# Altium PCB ЕРКФ.758725.093Д11_и1_МВВ.PcbDoc (part 1 of 3)
Units mm, origin at the board's own origin, x right, y up, seen from the top; angles counter-clockwise.
Board outline 118.8 x 103.1 mm, 2 copper layers (Top Layer, Bottom Layer), stack 1.571 mm thick; 306 components, 215 nets, 983 pads, 379 vias.
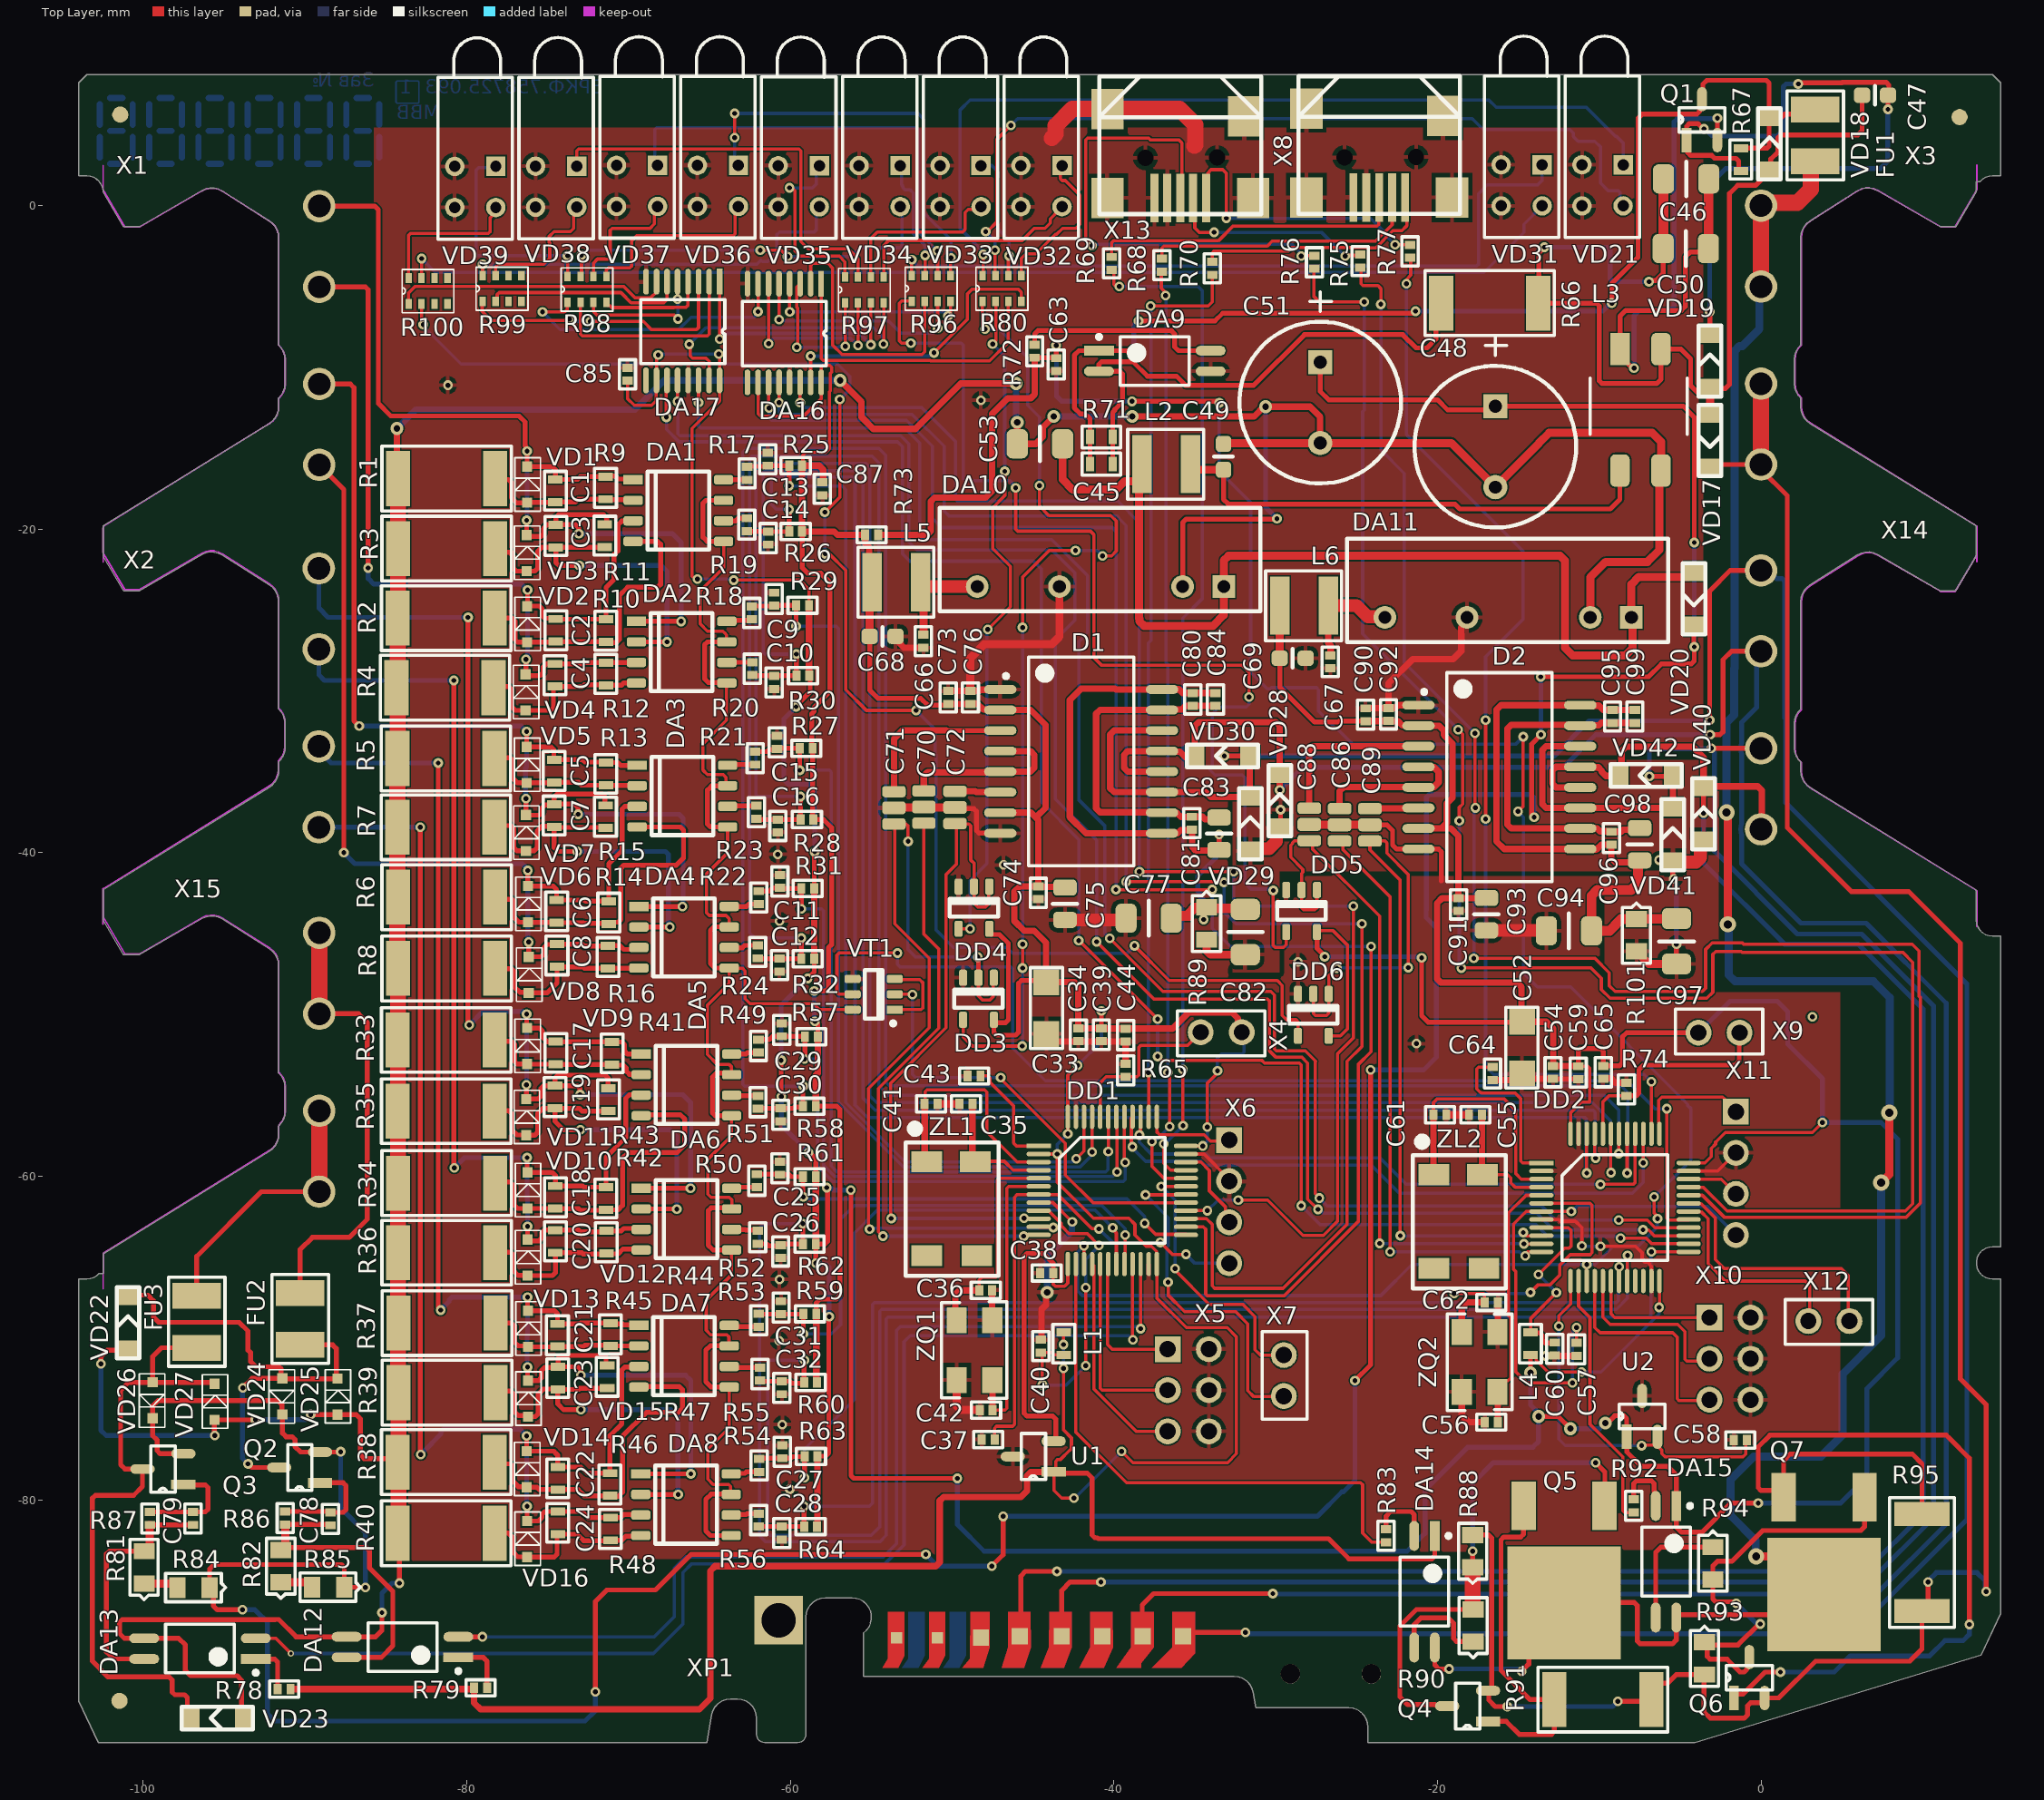
[diagram p0: Top Layer view]
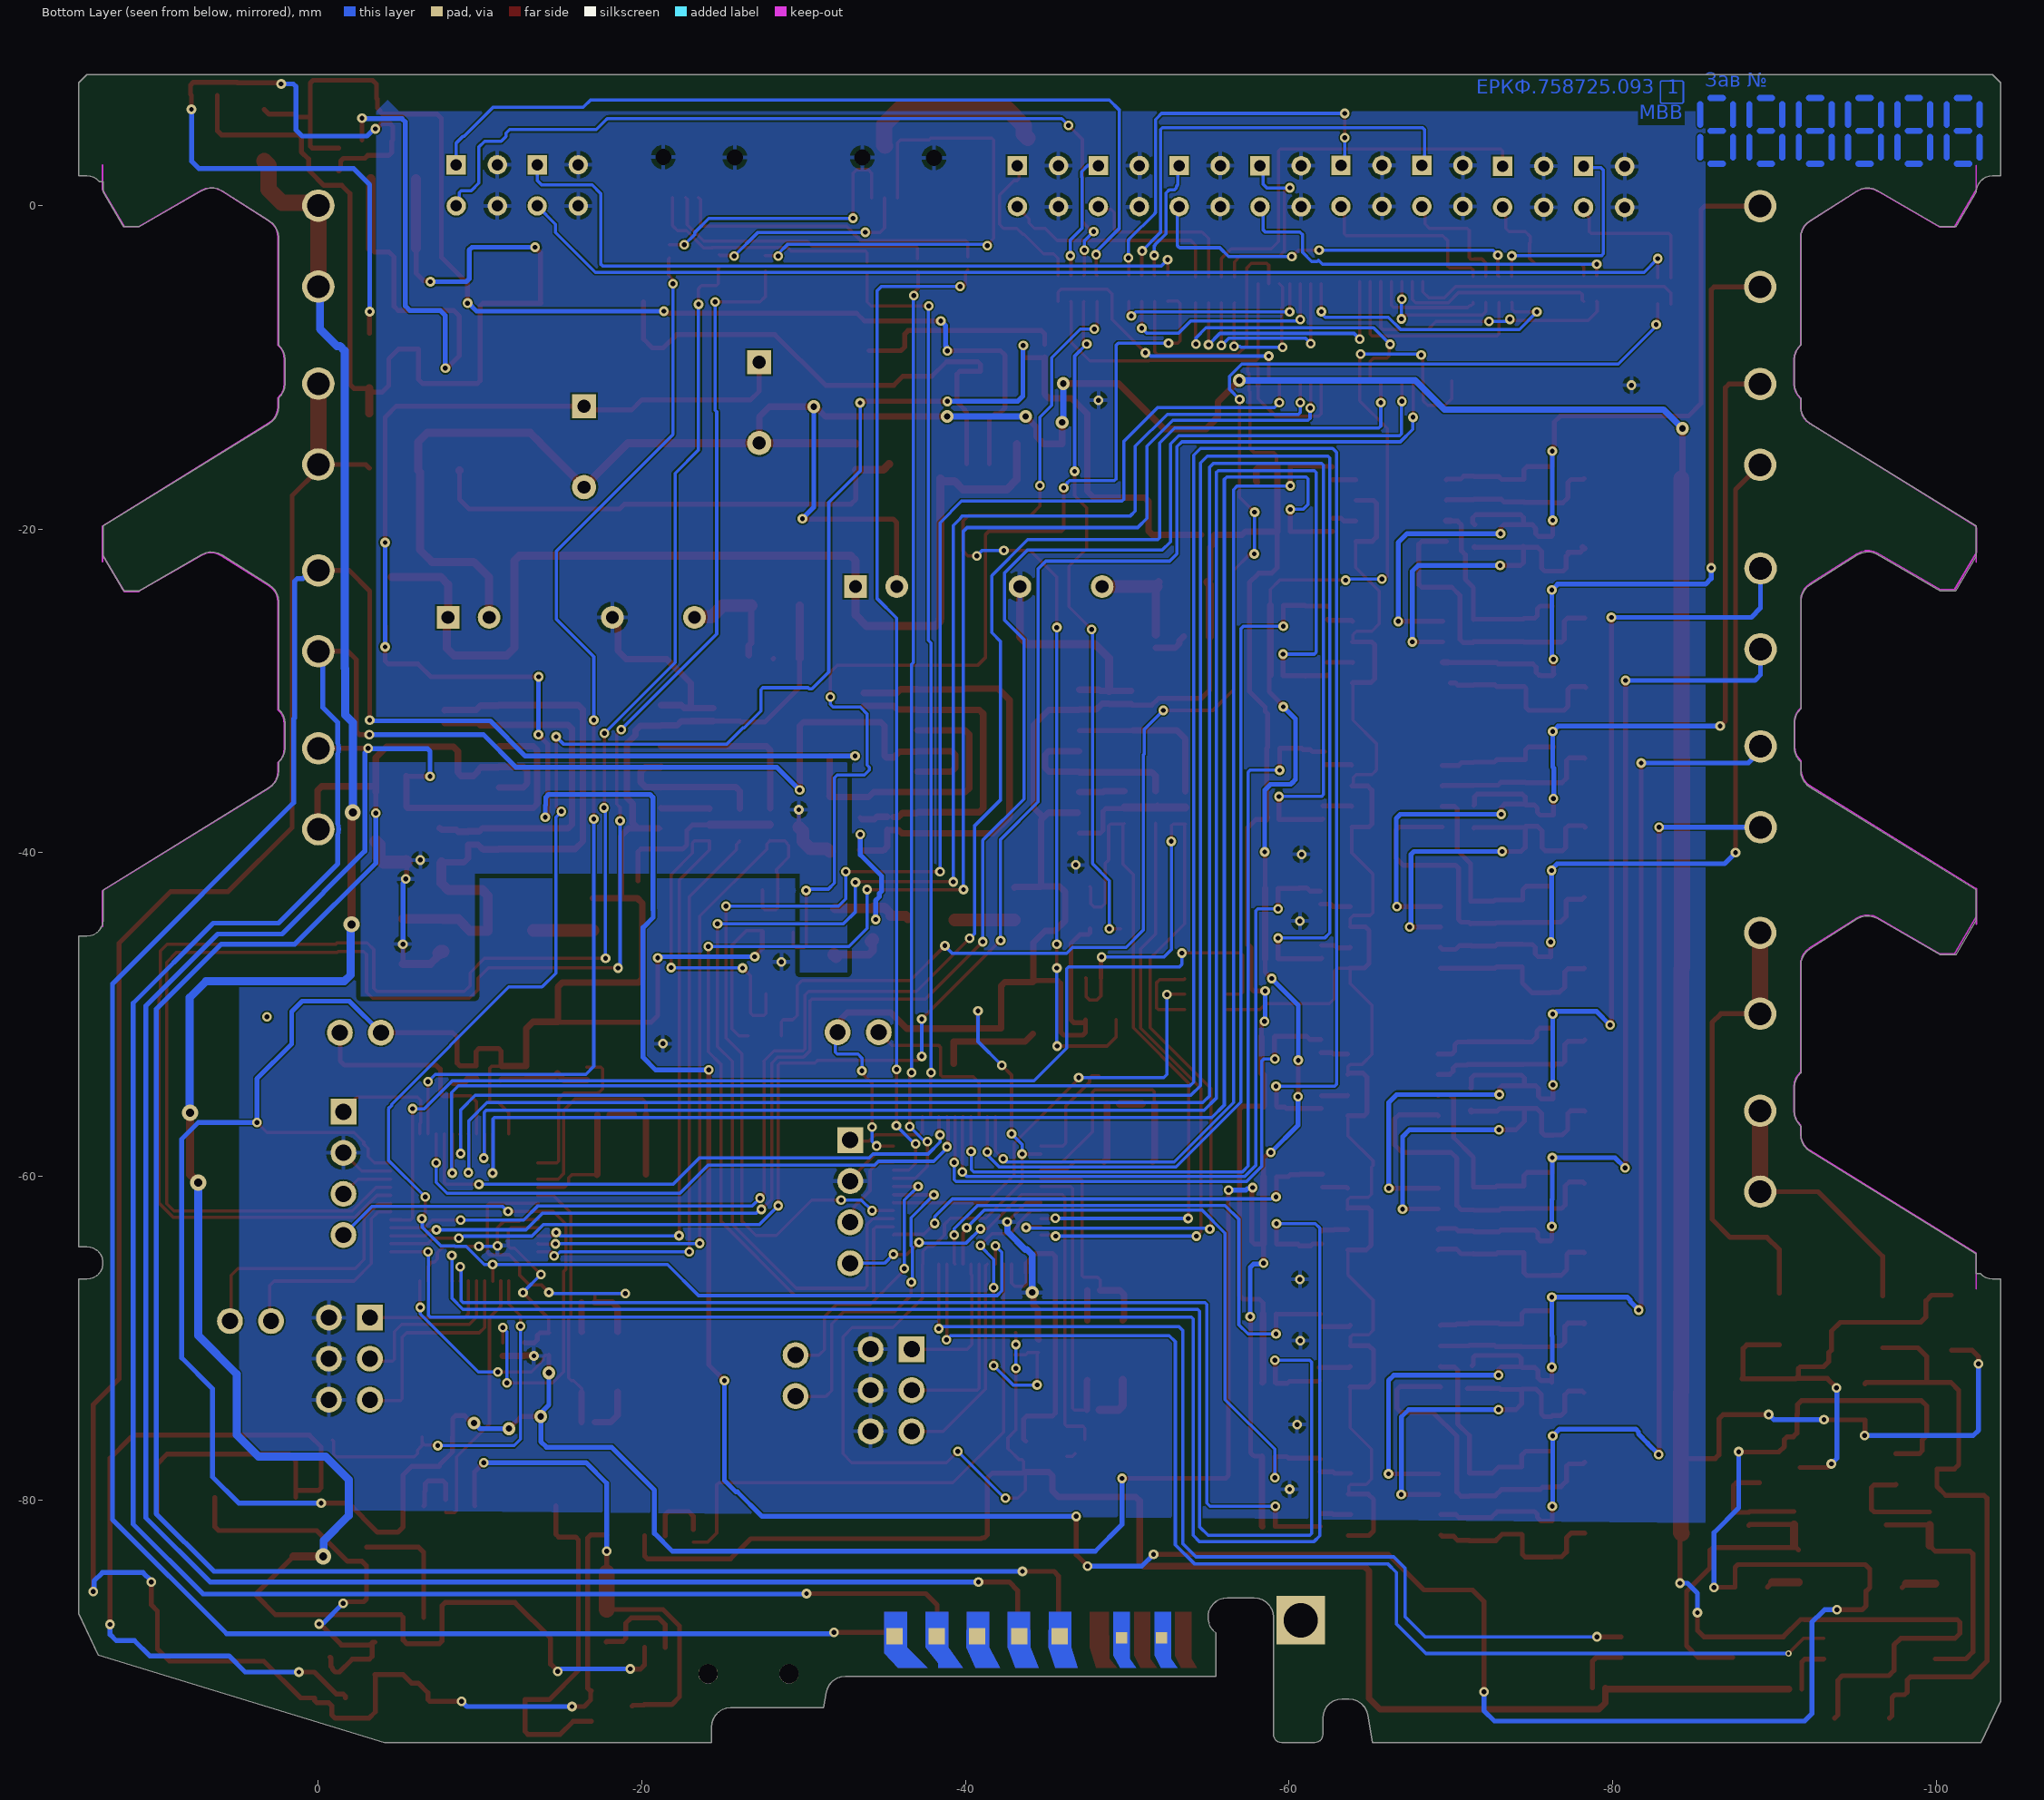
[diagram p1: Bottom Layer view, seen from below]
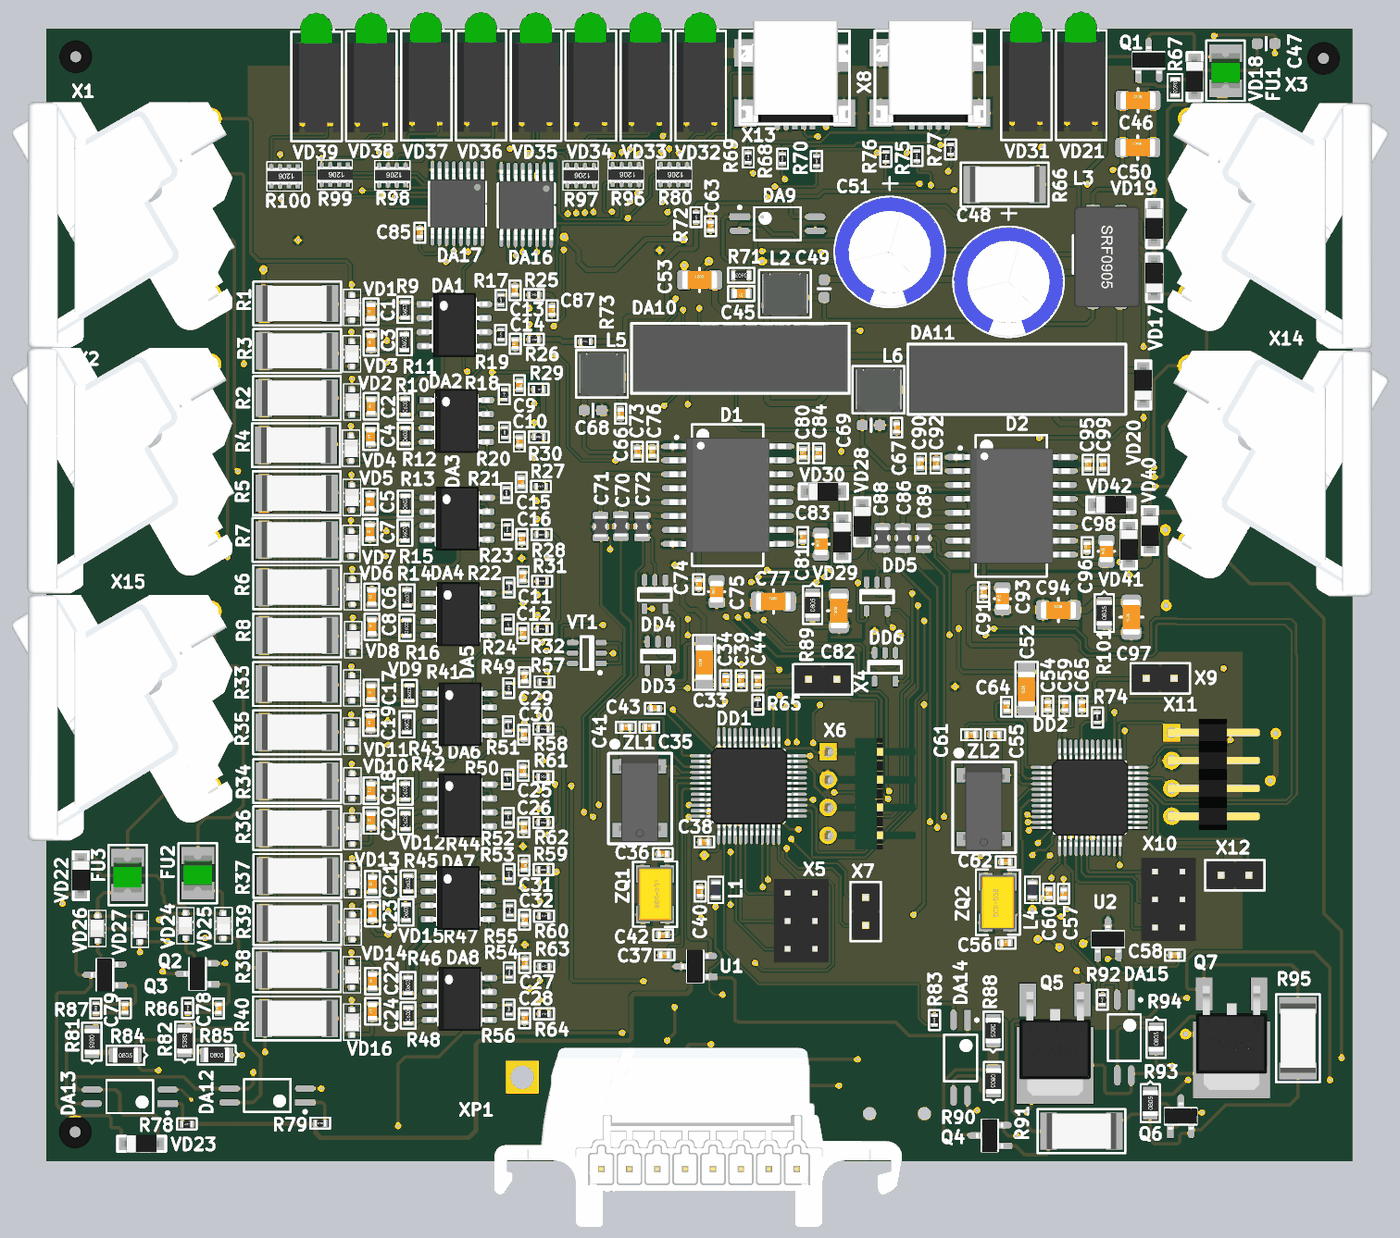
[diagram p4: 3D render of the assembled board from above, using the file's embedded part models]

## Layer stack, top to bottom
Top Solder: solder mask 0.0102, Solder Resist, Dk 3.5
Top Layer: signal copper 0.0356
Dielectric 1: dielectric 1.5, FR-4, Dk 4.8
Bottom Layer: signal copper 0.0356
Bottom Solder: solder mask 0.0102, Solder Resist, Dk 3.5

## Board outline
-55.489,-90.906 -32.581,-90.906 -32.304,-90.938 -32.042,-91.034 -31.809,-91.187 -31.618,-91.389 -31.479,-91.631 -31.399,-91.898 -31.23,-92.856 -25.489,-92.856 -25.222,-92.886 -24.968,-92.975 -24.741,-93.118 -24.551,-93.308 -24.408,-93.535 -24.319,-93.789 -24.289,-94.056 -24.289,-95.006 -4.089,-95.006 13.611,-89.595 14.811,-87.021 14.811,-66.356 14.311,-66.356 14.103,-66.334 13.904,-66.27 13.723,-66.165 13.568,-66.025 13.445,-65.856 13.36,-65.665 13.316,-65.461 13.316,-65.251 13.36,-65.047 13.445,-64.856 13.568,-64.687 13.723,-64.547 13.904,-64.442 14.103,-64.378 14.311,-64.356 14.811,-64.356 14.811,-45.156 14.311,-45.156 14.088,-45.131 13.877,-45.057 13.688,-44.938 13.529,-44.779 13.41,-44.59 13.336,-44.379 13.311,-44.156 13.311,-42.306 3.031,-35.958 2.837,-35.809 2.678,-35.625 2.559,-35.412 2.486,-35.179 2.461,-34.937 2.461,-34.4 2.292,-34.214 2.166,-33.996 2.087,-33.756 2.061,-33.506 2.061,-32.006 2.087,-31.756 2.166,-31.516 2.292,-31.298 2.461,-31.112 2.461,-24.466 2.485,-24.226 2.557,-23.996 2.673,-23.785 2.829,-23.601 3.018,-23.453 5.947,-21.595 6.181,-21.48 6.435,-21.419 6.696,-21.413 6.952,-21.464 7.19,-21.57 11.061,-23.806 12.049,-23.806 13.311,-21.656 13.311,-19.806 3.031,-13.458 2.837,-13.309 2.678,-13.125 2.559,-12.912 2.486,-12.679 2.461,-12.437 2.461,-11.9 2.292,-11.714 2.166,-11.496 2.087,-11.256 2.061,-11.006 2.061,-9.506 2.087,-9.256 2.166,-9.016 2.292,-8.798 2.461,-8.612 2.461,-1.966 2.485,-1.726 2.557,-1.496 2.673,-1.285 2.829,-1.101 3.018,-0.953 5.947,0.905 6.181,1.02 6.435,1.081 6.696,1.087 6.952,1.036 7.19,0.93 11.061,-1.306 12.049,-1.306 13.311,0.844 13.311,1.494 13.551,1.494 13.708,1.642 13.893,1.752 14.097,1.821 14.311,1.844 14.811,1.844 14.811,7.594 14.311,8.094 -103.489,8.094 -103.989,7.594 -103.989,1.844 -103.489,1.844 -103.279,1.822 -103.079,1.756 -102.897,1.65 -102.741,1.508 -102.619,1.337 -102.535,1.144 -102.493,0.937 -102.493,0.844 -101.231,-1.306 -100.243,-1.306 -96.373,0.93 -96.134,1.036 -95.878,1.087 -95.617,1.081 -95.364,1.02 -95.13,0.905 -92.201,-0.953 -92.011,-1.101 -91.855,-1.285 -91.739,-1.496 -91.668,-1.726 -91.643,-1.966 -91.643,-8.612 -91.474,-8.798 -91.348,-9.016 -91.27,-9.256 -91.243,-9.506 -91.243,-11.006 -91.27,-11.256 -91.348,-11.496 -91.474,-11.714 -91.643,-11.9 -91.643,-12.437 -91.668,-12.679 -91.741,-12.912 -91.86,-13.125 -92.02,-13.309 -92.213,-13.458 -102.493,-19.806 -102.493,-21.656 -101.231,-23.806 -100.243,-23.806 -96.373,-21.57 -96.134,-21.464 -95.878,-21.413 -95.617,-21.419 -95.364,-21.48 -95.13,-21.595 -92.201,-23.453 -92.011,-23.601 -91.855,-23.785 -91.739,-23.996 -91.668,-24.226 -91.643,-24.466 -91.643,-31.112 -91.474,-31.298 -91.348,-31.516 -91.27,-31.756 -91.243,-32.006 -91.243,-33.506 -91.27,-33.756 -91.348,-33.996 -91.474,-34.214 -91.643,-34.4 -91.643,-34.937 -91.668,-35.179 -91.741,-35.412 -91.86,-35.625 -92.019,-35.809 -92.213,-35.958 -102.493,-42.306 -102.493,-44.156 -101.231,-46.306 -100.243,-46.306 -96.373,-44.07 -96.134,-43.964 -95.878,-43.913 -95.617,-43.919 -95.364,-43.98 -95.13,-44.095 -92.201,-45.953 -92.011,-46.101 -91.855,-46.285 -91.739,-46.496 -91.668,-46.726 -91.643,-46.966 -91.643,-53.612 -91.474,-53.798 -91.348,-54.016 -91.27,-54.256 -91.243,-54.506 -91.243,-56.006 -91.27,-56.256 -91.348,-56.496 -91.474,-56.714 -91.643,-56.9 -91.643,-57.437 -91.668,-57.679 -91.741,-57.912 -91.86,-58.125 -92.019,-58.309 -92.213,-58.458 -102.493,-64.806 -102.493,-66.006 -102.729,-66.006 -102.886,-66.154 -103.071,-66.264 -103.275,-66.333 -103.489,-66.356 -103.989,-66.356 -103.989,-92.433 -102.789,-95.006 -65.169,-95.006 -64.867,-93.298 -64.788,-93.031 -64.648,-92.789 -64.457,-92.587 -64.224,-92.434 -63.962,-92.338 -63.686,-92.306 -63.289,-92.306 -63.022,-92.336 -62.768,-92.425 -62.541,-92.568 -62.351,-92.758 -62.208,-92.985 -62.119,-93.239 -62.089,-93.506 -62.089,-94.506 -62.076,-94.617 -62.039,-94.723 -61.98,-94.818 -61.901,-94.897 -61.806,-94.956 -61.7,-94.993 -61.589,-95.006 -59.539,-95.006 -59.428,-94.993 -59.322,-94.956 -59.227,-94.897 -59.148,-94.818 -59.089,-94.723 -59.052,-94.617 -59.039,-94.506 -59.039,-87.256 -59.009,-86.989 -58.92,-86.735 -58.777,-86.508 -58.587,-86.318 -58.36,-86.175 -58.106,-86.086 -57.839,-86.056 -56.189,-86.056 -55.939,-86.082 -55.7,-86.16 -55.482,-86.286 -55.296,-86.455 -55.148,-86.658 -55.047,-86.888 -54.995,-87.134 -54.996,-87.386 -55.049,-87.632 -55.153,-87.861 -55.301,-88.063 -55.489,-88.231

## Design rules (kind name [scope] priority, off if disabled: settings)
Clearance [All] p1: gap=0.1 ignorepadtopadclearanceinfootprint=FALSE except(0: Arc-Hole Track-Hole SMDPad-Hole THPad-Hole Via-Hole Fill-Hole Poly-Hole Region-Hole Text-Hole; 0.3: Fill-Fill Fill-Poly Fill-Region Poly-Poly Poly-Region Region-Region)
ComponentClearance [All] p1: gap=0 collisioncheckmode=3 verticalgap=0 showdistances=FALSE
PolygonConnect [All] p1: connectstyle=Relief reliefconductorwidth=0.254 reliefentries=4 polygonreliefangle="90 Angle" airgapwidth=0.254
RoutingVias [All] p1: holewidth=0.711 width=1.27 viastyle="Through Hole" minholewidth=0.711 minwidth=1.27 maxholewidth=0.711 maxwidth=1.27
SolderMaskExpansion [All] p1: expansion=0.05 istentingtop=FALSE
Width [All] p1: maxlimit=1 minlimit=0.1 preferedwidth=0.4
29 further rules are at their usual default settings.

## Classes and differential pairs
net class 2in[1..8]: 2in1 2in2 2in3 2in4 2in5 2in6 2in7 2in8
net class 1in[1..8]: 1in1 1in2 1in3 1in4 1in5 1in6 1in7 1in8
component class Sheet3: C70 C71 C72 C73 C74 C75 C76 C77 C78 C79 C80 C81 C82 C83 C84 C85 C86 C87 C88 C89 C90 C91 C92 C93 C94 C95 C96 C97 C98 C99 D1 D2 DA12 DA13 DA14 DA15 DA16 DA17 DD3 DD4 DD5 DD6 FU2 FU3 Q2 Q3 Q4 Q5 Q6 Q7 R78 R79 R80 R81 R82 R83 R84 R85 R86 R87 R88 R89 R90 R91 R92 R93 R94 R95 R96 R97 R98 R99 R100 R101 VD21 VD22 VD23 VD24 VD25 VD26 VD27 VD28 VD29 VD30 VD31 VD33 VD34 VD35 VD36 VD38 VD39 VD40 VD41 VD42 X14 X15 XP1
component class Sheet2: C33 C34 C35 C36 C37 C38 C39 C40 C41 C42 C43 C44 C45 C46 C47 C48 C49 C50 C51 C52 C53 C54 C55 C56 C57 C58 C59 C60 C61 C62 C63 C64 C65 C66 C67 C68 C69 DA9 DA10 DA11 DD1 DD2 FU1 L1 L2 L3 L4 L5 L6 Q1 R65 R66 R67 R68 R69 R70 R71 R72 R73 R74 R75 R76 R77 U1 U2 VD17 VD18 VD19 VD20 X3 X4 X5 X6 X7 X8 X9 X10 X11 X12 X13 ZL1 ZL2 ZQ1 ZQ2
component class Sheet1: C1 C2 C3 C4 C5 C6 C7 C8 C9 C10 C11 C12 C13 C14 C15 C16 C17 C18 C19 C20 C21 C22 C23 C24 C25 C26 C27 C28 C29 C30 C31 C32 DA1 DA2 DA3 DA4 DA5 DA6 DA7 DA8 R1 R2 R3 R4 R5 R6 R7 R8 R9 R10 R11 R12 R13 R14 R15 R16 R17 R18 R19 R20 R21 R22 R23 R24 R25 R26 R27 R28 R29 R30 R31 R32 R33 R34 R35 R36 R37 R38 R39 R40 R41 R42 R43 R44 R45 R46 R47 R48 R49 R50 R51 R52 R53 R54 R55 R56 R57 R58 R59 R60 R61 R62 R63 R64 VD1 VD2 VD3 VD4 VD5 VD6 VD7 VD8 VD9 VD10 VD11 VD12 VD13 VD14 VD15 VD16 VT1 X1 X2

## Components (designator, comment, footprint, x,y, rotation, side; value= is the part's Value field where it differs from the comment)
C1 "0.01u" 0603_cap -74.525,-17.625 r90 top
C2 "0.01u" 0603_cap -74.5,-26.25 r90 top
C3 "0.01u" 0603_cap -74.5,-20.425 r90 top
C4 "0.01u" 0603_cap -74.55,-29.025 r90 top
C5 "0.01u" 0603_cap -74.6,-34.95 r90 top
C6 "0.01u" 0603_cap -74.45,-43.625 r90 top
C7 "0.01u" 0603_cap -74.6,-37.7 r90 top
C8 "0.01u" 0603_cap -74.425,-46.35 r90 top
C9 "220p" cap_0402 -61,-24.325 r270 top
C10 "220p" cap_0402 -61,-29.475 r90 top
C11 "220p" cap_0402 -60.65,-41.775 r270 top
C12 "220p" cap_0402 -60.675,-46.95 r90 top
C13 "220p" cap_0402 -61.4,-15.675 r270 top
C14 "220p" cap_0402 -61.375,-20.55 r90 top
C15 "220p" cap_0402 -60.825,-33.175 r270 top
C16 "220p" cap_0402 -60.775,-38.35 r90 top
C17 "0.01u" 0603_cap -74.5,-52.375 r90 top
C18 "0.01u" 0603_cap -74.525,-61.3 r90 top
C19 "0.01u" 0603_cap -74.55,-55.1 r90 top
C20 "0.01u" 0603_cap -74.525,-64.025 r90 top
C21 "0.01u" 0603_cap -74.4,-69.825 r90 top
C22 "0.01u" 0603_cap -74.375,-78.671 r90 top
C23 "0.01u" 0603_cap -74.375,-72.475 r90 top
C24 "0.01u" 0603_cap -74.375,-81.425 r90 top
C25 "220p" cap_0402 -60.65,-59.5 r270 top
C26 "220p" cap_0402 -60.6,-64.65 r90 top
C27 "220p" cap_0402 -60.5,-77.025 r270 top
C28 "220p" cap_0402 -60.525,-82.05 r90 top
C29 "220p" cap_0402 -60.525,-50.95 r270 top
C30 "220p" cap_0402 -60.6,-56.2 r90 top
C31 "220p" cap_0402 -60.575,-68.125 r270 top
C32 "220p" cap_0402 -60.525,-73.075 r90 top
C33 "47u" 1206-cap -44.175,-49.6 r90 top
C34 "0.1u" cap_0402 -42.2,-51.25 r270 top
C35 "10p" cap_0402 -49.15,-55.525 r0 top
C36 "10p" cap_0402 -47.925,-67.05 r180 top
C37 "0.1u" cap_0402 -47.775,-76.275 r0 top
C38 "0.1u" cap_0402 -44.15,-65.975 r0 top
C39 "0.1u" cap_0402 -40.775,-51.25 r90 top
C40 "0.1u" cap_0402 -44.525,-70.5 r270 top
C41 "10p" cap_0402 -51.3,-55.525 r0 top
C42 "10p" cap_0402 -47.9,-74.45 r0 top
C43 "0.1u" cap_0402 -48.65,-53.8 r180 top
C44 "0.1u" cap_0402 -39.275,-51.275 r90 top
C45 "0.01u" 0603_cap -40.775,-15.975 r180 top
C46 "10u 100v" C1206_ -4.625,1.65 r0 top value=10u
C47 "0.1u" C0603 7.05,6.825 r0 top
C48 "220u 63v" rad_cap_10х12 -16.425,-14.9 r270 top value=220uF
C49 "0.1u" C0603 -33.225,-15.525 r270 top
C50 "10u 100v" C1206_ -4.65,-2.65 r0 top value=10u
C51 "220u 63v" rad_cap_10х12 -27.25,-12.175 r270 top value=220uF
C52 "47u" 1206-cap -14.775,-52.05 r90 top
C53 "10u 100v" C1206_ -44.575,-14.725 r0 top value=10u
C54 "0.1u" cap_0402 -12.85,-53.575 r270 top
C55 "10p" cap_0402 -17.65,-56.2 r0 top
C56 "10p" cap_0402 -16.675,-75.2 r0 top
C57 "0.1u" cap_0402 -11.4,-70.7 r90 top
C58 "0.1u" cap_0402 -1.275,-76.3 r0 top
C59 "0.1u" cap_0402 -11.3,-53.6 r90 top
C60 "0.1u" cap_0402 -12.75,-70.675 r90 top
C61 "10p" cap_0402 -19.85,-56.2 r0 top
C62 "10p" cap_0402 -16.675,-67.8 r180 top
C63 "220p" cap_0402 -43.575,-9.825 r270 top
C64 "0.1u" cap_0402 -16.6,-53.65 r270 top
C65 "0.1u" cap_0402 -9.75,-53.575 r90 top
C66 "0.1u" cap_0402 -51.775,-26.925 r90 top
C67 "0.1u" cap_0402 -26.625,-28.2 r90 top
C68 "10u" C0603 -54.3,-26.625 r180 top
C69 "10u" C0603 -28.95,-27.975 r180 top
C70 "NFM21CC102R1H3" NFM21C -51.75,-38.175 r90 top
C71 "NFM21CC102R1H3" NFM21C -53.6,-38.225 r90 top
C72 "NFM21CC102R1H3" NFM21C -49.825,-38.2 r90 top
C73 "0.1u" cap_0402 -50.25,-30.4 r90 top
C74 "0.1u" cap_0402 -44.675,-42.475 r90 top
C75 "10u 16v" C0805_ -43.025,-43.15 r90 top value=10u
C76 "0.01u" cap_0402 -48.875,-30.4 r90 top
C77 "220p 2000v" C1206_ -37.85,-44.05 r0 top value=220p
C78 "0.01u" cap_0402 -88.425,-81.175 r90 top
C79 "0.01u" cap_0402 -96.925,-81.15 r90 top
C80 "0.1u" cap_0402 -35.125,-30.525 r90 top
C81 "0.1u" cap_0402 -35.175,-38.175 r90 top
C82 "1000p 2000v" C1206_ -31.875,-44.9 r90 top value=1000p
C83 "10u 16v" C0805_ -33.5,-38.825 r90 top value=10u
C84 "0.01u" cap_0402 -33.725,-30.525 r90 top
C85 "0.1u" cap_0402 -70.075,-10.425 r270 top
C86 "NFM21CC102R1H3" NFM21C -26.05,-39.275 r90 top
C87 "0.1u" cap_0402 -58.025,-17.5 r270 top
C88 "NFM21CC102R1H3" NFM21C -27.925,-39.25 r90 top
C89 "NFM21CC102R1H3" NFM21C -24.175,-39.275 r90 top
C90 "0.1u" cap_0402 -24.45,-31.475 r90 top
C91 "0.1u" cap_0402 -18.7,-43.2 r90 top
C92 "0.01u" cap_0402 -23.025,-31.45 r270 top
C93 "10u 16v" C0805_ -16.975,-43.8 r90 top value=10u
C94 "220p 2000v" C1206_ -11.875,-44.825 r0 top value=220p
C95 "0.1u" cap_0402 -9.175,-31.575 r90 top
C96 "0.1u" cap_0402 -9.25,-39.1 r90 top
C97 "1000p 2000v" C1206_ -5.225,-45.475 r90 top value=1000p
C98 "10u 16v" C0805_ -7.5,-39.475 r90 top value=10u
C99 "0.01u" cap_0402 -7.8,-31.575 r90 top
D1 "ADM2682E_RS485_422_Isol" SOIC_16IC_#1 -42.025,-34.35 r0 top
D2 "ADM2682E_RS485_422_Isol" SOIC_16IC_#2 -16.175,-35.325 r0 top
DA1 "MOCD217M" SO-8_optocup -66.925,-18.85 r0 top
DA2 "MOCD217M" SO-8_optocup -66.725,-27.6 r0 top
DA3 "MOCD217M" SO-8_optocup -66.675,-36.5 r0 top
DA4 "MOCD217M" SO-8_optocup -66.575,-45.225 r0 top
DA5 "MOCD217M" SO-8_optocup -66.425,-54.35 r0 top
DA6 "MOCD217M" SO-8_optocup -66.425,-62.65 r0 top
DA7 "MOCD217M" SO-8_optocup -66.575,-71.125 r0 top
DA8 "MOCD217M" SO-8_optocup -66.45,-80.3 r0 top
DA9 "PS2801C-1" SSOP-4N -37.475,-9.6 r0 top
DA10 "AM1D-2403SH30Z" AM1D-2405 -33.21,-23.55 r270 top
DA11 "AM1D-2403SH30Z" AM1D-2405 -8.015,-25.45 r270 top
DA12 "PS2801C-1" SSOP-4N -83.975,-89.1 r180 top
DA13 "PS2801C-1" SSOP-4N -96.5,-89.2 r180 top
DA14 "PS2801C-1" SSOP-4N -20.8,-85.675 r270 top
DA15 "PS2801C-1" SSOP-4N -5.875,-83.825 r270 top
DA16 "74HC595" TSSOP16 -58.1,-4.825 r270 top (schematic designator U3)
DA17 "74HC595" TSSOP16 -64.375,-4.7 r270 top (schematic designator U4)
DD1 "STM32L073CBT6" LQFP48 -44.65,-58.125 r0 top
DD2 "STM32L073CBT6" LQFP48 -13.575,-59.175 r0 top locked
DD3 "1G00" sot-23-5 -48.375,-49.025 r270 top
DD4 "1G00" sot-23-5 -48.65,-43.4 r270 top
DD5 "1G00" sot-23-5 -28.4,-43.6 r270 top
DD6 "1G00" sot-23-5 -27.675,-50.025 r270 top
FU1 "1812L014DR" fuse1210 3.35,4.35 r90 top
FU2 "1210L014DR" fuse1210 -90.3,-68.825 r90 top
FU3 "1210L014DR" fuse1210 -96.7,-69 r90 top
L1 "chip_ind" 0603_ind -43.1,-70.35 r270 top
L2 "22 uHn" ifsc1515 -36.775,-15.975 r180 top
L3 "SRF0905" SRF0905 -7.45,-12.625 r270 top value=SRF0905-202Y
L4 "chip_ind" 0603_ind -14.25,-70.35 r90 top
L5 "22 uHn" ifsc1515 -53.45,-23.275 r180 top
L6 "22 uHn" ifsc1515 -28.25,-24.725 r180 top
Q1 "MJD122T4G" sot23 -4.6,4.05 r90 top
Q2 "PNP" sot23 -89.075,-78.95 r180 top
Q3 "PNP" sot23 -97.525,-79.05 r180 top
Q4 "bc817" sot23 -16.875,-93.7 r180 top
Q5 "MJD31CT4" d-pak -8.675,-78.875 r180 top
Q6 "bc817" sot23 -1.675,-92.25 r90 top
Q7 "MJD31CT4" d-pak 7.4,-78.35 r180 top
R1 "1.5k" 2512_res -81.25,-16.875 r0 top
R2 "1.5k" 2512_res -81.275,-25.5 r0 top
R3 "1.5k" 2512_res -81.25,-21.2 r0 top
R4 "1.5k" 2512_res -81.35,-29.8 r0 top
R5 "1.5k" 2512_res -81.291,-34.175 r0 top
R6 "1.5k" 2512_res -81.25,-42.75 r0 top
R7 "1.5k" 2512_res -81.3,-38.425 r0 top
R8 "1.5k" 2512_res -81.25,-47.15 r0 top
R9 "200" 0603_res -71.425,-17.45 r90 top
R10 "200" 0603_res -71.4,-26.275 r90 top
R11 "200" 0603_res -71.475,-20.4 r90 top
R12 "200" 0603_res -71.4,-28.95 r90 top
R13 "200" 0603_res -71.4,-35.125 r90 top
R14 "200" 0603_res -71.225,-43.7 r90 top
R15 "200" 0603_res -71.425,-37.775 r90 top
R16 "200" 0603_res -71.275,-46.45 r90 top
R17 "200" res_0402 -62.675,-16.55 r90 top
R18 "200" res_0402 -62.375,-25.175 r90 top
R19 "200" res_0402 -62.7,-19.725 r270 top
R20 "200" res_0402 -62.35,-28.625 r270 top